# Altium PCB LimeNet-Micro_2v1.PcbDoc (part 10 of 11)
Units mm, origin at the board's own origin, x right, y up, seen from the top; angles counter-clockwise.
Board outline 75 x 143 mm, 6 copper layers (Top, L2, L3, L4, L5, Bottom), stack 1.583 mm thick; 795 components, 565 nets, 3646 pads, 1420 vias.
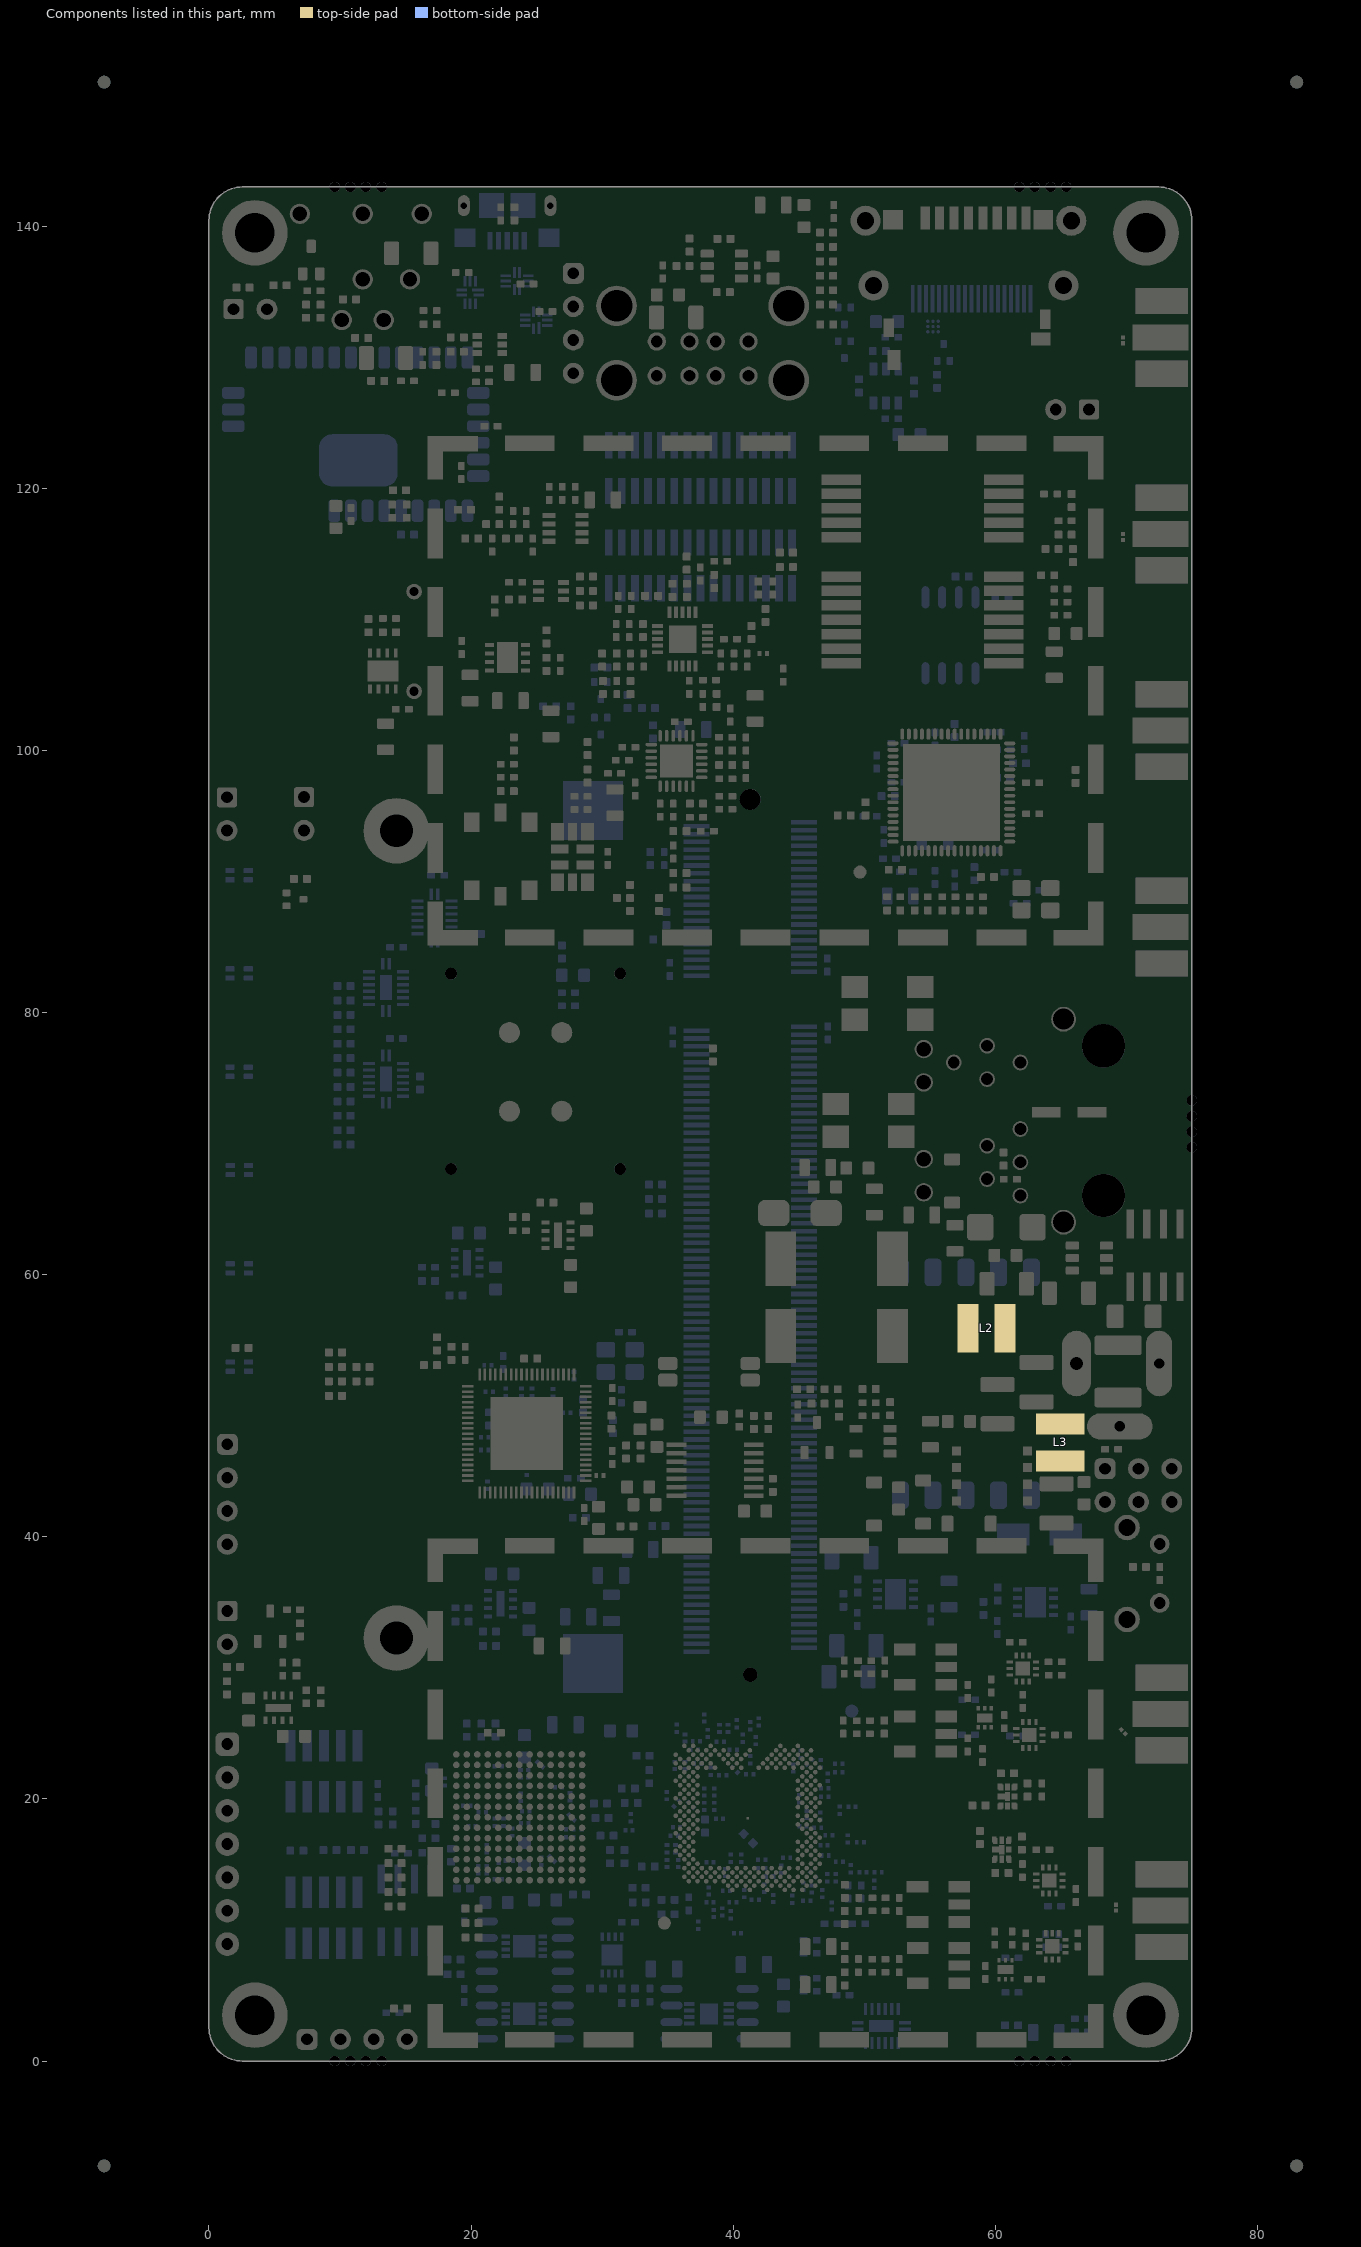
[diagram p14: the components of this part, seen from the top]

## Other copper
Top:
  pour cut-out: 75,102.875 70.385,102.875 ccw(c70.385,101.518) 69.425,102.477 cw(c68.634,103.268) 68.634,102.15 66.552,102.15 cw(c66.552,104.69) 64.756,102.894 62.519,105.131 ccw(c60.723,103.335) 60.723,105.875 45.6,105.875 cw(c45.6,107.025) 44.45,107.025 44.45,107.425 ccw(c42.75,107.425) 42.75,109.125 38.45,109.125 38.45,107.7 42.775,107.7 cw(c42.775,107.375) 43.1,107.375 43.1,96.373 cw(c41.265,96.373) 42.562,95.075 41.4,93.912 cw(c40.525,94.787) 40.525,93.55 39.477,93.55 ccw(c39.477,91.01) 37.681,92.806 36.777,91.902 cw(c36.125,92.553) 36.125,91.632 36.125,88.85 36.775,88.85 37.396,89.471 cw(c38.25,88.618) 38.25,89.825 ccw(c38.25,92.189) 39.922,90.517 40.444,91.04 cw(c41.075,90.408) 41.075,91.301 47.299,91.301 ccw(c47.299,93.841) 49.095,92.045 50.527,93.477 cw(c52.323,91.681) 52.323,94.221 52.775,94.221 52.775,94.9 50.636,94.9 ccw(c50.636,93.364) 49.55,94.45 48.519,93.419 cw(c46.723,95.215) 46.723,92.675 45.7,92.675 cw(c45.7,93.9) 44.475,93.9 44.475,101.745 cw(c46.45,101.745) 46.45,103.72 58.953,103.72 cw(c58.953,101.18) 60.749,102.976 64.842,98.883 cw(c63.433,97.475) 65.425,97.475 65.425,97.05 ccw(c67.6,97.05) 67.6,94.875 67.735,94.875 cw(c67.735,94.11) 68.5,94.11 68.5,87.5 ccw(c70.95,87.5) 70.95,85.05 75,85.05 75,87.875 71,87.875 cw(c71,89.075) 69.8,89.075 69.8,94.35 ccw(c67.95,94.35) 67.95,96.2 67.825,96.2 cw(c67.825,97.25) 66.775,97.25 66.775,100.25 cw(c67.45,100.25) 67.45,100.925 68.595,100.925 cw(c68.595,99.645) 69.5,100.55 ccw(c70.526,101.576) 70.526,100.125 75,100.125
  pour cut-out: 3.65,126.77 cw(c3.65,126.02) 4.18,126.55 60.473,126.55 ccw(c60.473,129.09) 62.269,127.294 67.156,132.181 cw(c68.952,130.385) 68.952,132.925 75,132.925 75,130.1 68.002,130.1 ccw(c68.002,127.56) 66.206,129.356 63.084,126.234 cw(c61.271,127.934) 61.35,125.45 4.126,125.44 cw(c3.682,125.929) 3.65,125.27
  pour cut-out: 3.65,125.27 ccw(c3.65,126.02) 4.4,126.02 ccw(c3.65,126.02) 3.65,126.77 ccw(c3.65,126.02) 2.9,126.02 ccw(c3.65,126.02)
  pour cut-out: 60.587,12.13 ccw(c61.117,12.661) 61.648,12.13 ccw(c61.117,12.661) 61.648,13.191 ccw(c61.117,12.661) 60.587,13.191 ccw(c61.117,12.661)
  pour cut-out: 56.55,92.2 56.55,91.88 ccw(c57.83,91.88) 56.925,90.975 58.444,89.456 cw(c58.188,89.2) 58.55,89.2 58.55,87.45 56.45,87.45 56.45,88.5 56.45,89.37 ccw(c55.17,89.37) 56.075,90.275 cw(c57.101,91.301) 55.65,91.301 55.65,92.2
  pour cut-out: 54.25,92.2 54.25,91.88 cw(c52.97,91.88) 53.875,90.975 52.356,89.456 ccw(c52.612,89.2) 52.25,89.2 52.25,87.45 54.35,87.45 54.35,88.5 54.35,89.37 cw(c55.63,89.37) 54.725,90.275 ccw(c53.699,91.301) 55.15,91.301 55.15,92.2
  pour cut-out: 25.3,90.375 23.55,90.375 23.55,88.05 31.6,88.05 31.6,86.575 32.65,86.575 32.65,88.05 34.975,88.05 ccw(c34.975,89.2) 36.125,89.2 36.125,97.275 34.675,97.275 34.675,89.975 cw(c34.2,89.975) 34.2,89.5 cw(c34.2,90.828) 33.261,89.889 32.975,90.175 ccw(c31.225,88.425) 31.225,90.9 28.1,90.9 28.1,89.225 25.3,89.225
  pour cut-out: 1.373,45.675 1.8,45.675 cw(c1.8,44.675) 2.8,44.675 ccw(c3.375,44.675) 3.375,44.1 3.65,44.1 ccw(c3.65,45.125) 4.675,45.125 4.675,55.975 cw(c7.6,55.975) 7.6,58.9 11.1,58.9 cw(c11.1,58.4) 11.6,58.4 11.6,57.75 cw(c11.15,57.75) 11.15,57.3 8.05,57.3 ccw(c8.05,55.6) 6.35,55.6 6.35,44.977 cw(c3.81,44.977) 3.81,42.437 3.262,42.437 ccw(c3.262,41.975) 2.8,41.975 cw(c1.625,41.975) 1.625,40.8 1.3,40.8 cw(c1.3,41.8) 0.3,41.8 0.3,44.602 cw(c1.373,44.602)
  pour cut-out: 59,120.1 67.75,120.1 cw(c67.75,118.3) 69.55,118.3 ccw(c69.925,118.3) 69.925,117.925 74.975,117.925 74.975,115.175 70.675,115.175 cw(c70.675,116.443) 69.779,115.546 68.893,116.432 cw(c69.661,117.2) 68.575,117.2 68.575,118.272 ccw(c67.772,118.272) 67.772,119.075 59,119.075
  pour cut-out: 63.075,10.758 ccw(c62.325,10.758) 62.325,11.508 ccw(c62.325,10.758) 61.575,10.758 ccw(c62.325,10.758) 62.325,10.008 ccw(c62.325,10.758)
  pour cut-out: 59.007,31.767 ccw(c59.537,31.237) 59.007,30.707 ccw(c59.537,31.237) 60.067,30.707 ccw(c59.537,31.237) 60.067,31.767 ccw(c59.537,31.237)
  pour cut-out: 61.583,22.634 ccw(c61.052,23.164) 61.583,23.695 ccw(c61.052,23.164) 60.522,23.695 ccw(c61.052,23.164) 60.522,22.634 ccw(c61.052,23.164)
  pour cut-out: 33.812,88.05 33.812,87.669 ccw(c34.794,87.669) 34.1,86.975 ccw(c35.186,88.061) 35.186,86.525 35.825,86.525 ccw(c35.825,87.004) 36.304,87.004 36.304,87.096 ccw(c35.825,87.096) 35.825,87.575 cw(c35.825,88.48) 35.185,87.84 34.975,88.05
  pour cut-out: 31.429,40 63.133,40 63.133,49.4 75,49.4 75,84.075 43,84.075 43,69.198 31.429,57.627
  region net GND: 59.875,7.323 61.775,7.323 61.775,6.623 59.875,6.623
  region net GND: 58.6,26.525 61.05,26.525 61.05,25.825 58.6,25.825
  region net VCC3P3_CLK: 30.225,95.425 30.225,94.513 30.788,93.95 32.006,93.95 32.1,94.044 32.1,95.05 31.725,95.425
  region net GND: 72.7,134.295 73.275,134.295 73.275,135.875 72.7,135.875
  region net GND: 72.7,134.295 72.7,133.72 70.175,133.72 70.175,134.295
  region net GND: 72.7,134.295 72.7,134.87 70.175,134.87 70.175,134.295
  region net GND: 72.7,134.295 72.125,134.295 72.125,135.875 72.7,135.875
  region net GND: 72.7,128.755 73.275,128.755 73.275,127.175 72.7,127.175
  region net GND: 72.7,128.755 72.7,129.33 70.175,129.33 70.175,128.755
  region net GND: 72.7,128.755 72.7,128.18 70.175,128.18 70.175,128.755
  region net GND: 72.7,128.755 72.125,128.755 72.125,127.175 72.7,127.175
  region net VCC5P0: 12.725,100.45 12.725,99.778 13.25,99.253 14.117,99.253 14.225,99.361 14.225,100.45
  region net VCC2P5: 19.3,118.951 18.576,119.675 17.775,119.675 17.65,119.55 17.65,118.95 18.575,118.025 19.3,118.025
  region net VCC2P5: 15.018,110.625 14.343,111.3 13.85,111.3 13.675,111.125 13.675,110.718 13.968,110.425 14.818,110.425
  region net NetC312_2: 14.475,105.1 14.75,104.825 14.75,102.075 14.25,101.575 12.725,101.575 11.95,102.35 11.95,105 12.05,105.1 12.51,105.1 12.585,105.025 12.585,104.24 12.7,104.125 13.85,104.125 13.95,104.225 13.95,104.957 14.093,105.1
  region net VCC2P5: 13.968,108.675 13.968,107.2 14.093,107.075 15.068,107.075 15.218,107.225 15.218,110.425 15.018,110.625 14.168,110.625 13.968,110.425
  region net GND: 13.275,106.075 13.275,106.62 15.111,106.62 15.111,106.075
  region net GND: 13.325,106.075 13.325,106.62 11.489,106.62 11.489,106.075
  region net GND: 13.275,106.075 13.275,105.53 15.111,105.53 15.111,106.075
  region net GND: 13.325,106.075 13.325,105.53 11.489,105.53 11.489,106.075
  region net VCC3P3_CLK: 23.775,105.25 23.6,105.075 23.6,103.05 24.025,102.625 26.836,102.625 26.836,105.25
  region net VCC3P3: 22.4,104.55 21.425,104.55 21.125,104.25 21.125,103.325 21.4,103.05 22.4,103.05
  region net VCC3P3: 25.575,32.425 24.868,32.425 24.55,32.107 24.55,30.05 24.717,29.883 25.633,29.883 25.85,30.1 25.85,32.15
  region net VCC3P3_2: 26.775,30.925 26.775,33.389 27.561,34.175 28.375,34.175 28.525,34.025 28.525,33.325 28.15,32.95 28.15,31.303 27.772,30.925
  region: 26.775,32.425
  region net GND: 22.78,107.089 22.234,107.089 22.234,105.253 22.78,105.253
  region net GND: 22.78,107.089 23.325,107.089 23.325,105.253 22.78,105.253
  region net GND: 22.78,107.089 22.234,107.089 22.234,108.925 22.78,108.925
  region net GND: 22.78,107.089 23.325,107.089 23.325,108.925 22.78,108.925
  region net VCC5P0: 19.18,104.164 19.18,103.492 19.705,102.967 20.572,102.967 20.68,103.075 20.68,104.164
  region net NetC318_2: 21.8,105.975 21.075,105.25 19.144,105.25 19.03,105.364 19.03,107.339 20.191,108.5 21.625,108.5 21.775,108.35 21.775,107.875 21.675,107.775 20.975,107.775 20.775,107.575 20.775,106.65 20.95,106.475 21.675,106.475 21.8,106.35
  region: 21.8,106.125
  region net VCC3P3_CLK: 27.25,106.375 23.9,106.375 23.775,106.25 23.775,105.25 23.975,105.05 27.3,105.05 27.45,105.2 27.45,106.175
  region net VCC3P3_2: 28.472,60.15 28.072,59.75 25.255,59.75 24.775,60.23 24.775,61.525 28.472,61.525
  region net VCC5P0: 29.225,62.575 29.975,61.825 29.975,61.075 30.475,60.575 31.05,60.575 31.425,60.95 31.425,62.7 29.925,64.2 29.225,64.2
  region net VCC3P3_2: 55.55,100.822 53.847,100.822 53.75,100.919 53.75,101.641 53.591,101.8 53.225,101.8 53.05,101.625 53.05,100.9 52.975,100.825 52.801,100.825 52.701,100.925 52.701,101.876 53.036,102.211 55.339,102.211 55.625,101.925 55.625,100.896
  region net VCC3P3_2: 20.75,51.925 20.55,51.925 20.25,52.225 20.25,52.775 20.566,53.091 20.65,53.091 20.75,52.991
  region: 21.272,13.794
  region net NetC152_2: 60.975,68 60.975,68.625 60.275,68.625 60.275,68.425 59.85,68 59.196,68 58.75,67.554 58.75,67.025 59.1,66.675 60.975,66.675
  pour cut-out: 8.3,124.14 8.3,99 0,99 0,124.14
  region net VCC3P3_2: 27.272,62.2 27.147,62.075 27.147,60.15 28.472,60.15 28.847,60.525 28.847,61.5 28.147,62.2
  region net VCC5P0: 27.272,63.65 28.022,63.65 28.572,64.2 29.747,64.2 29.747,62.475 28.547,62.475 28.022,63 27.272,63
  region net GND: 61.89,19.736 60.74,19.736 60.74,18.65 61.89,18.65 61.89,19.48
  region net VCC3P3A_ETH: 54.75,87.8 54.75,86.45 56.05,86.45 56.05,87.8
  pour cut-out: 45.27,23.71 47.44,23.71 49.775,21.375 56.165,21.375 58.84,18.7 65.75,18.7 69.4,22.35 70.7,23.65 70.7,24.7 74.975,24.7 74.975,28.225 70.075,28.225 68.3,26.45 68.3,24.525 67.05,24.525 67.05,28.7 62.425,33.325 46.85,33.325 40.608,27.083 40.608,22.378 43.938,22.378
  pour cut-out: 41.94,5.81 44.175,3.575 63.65,3.575 67.05,6.975 67.05,10.35 69.25,10.35 69.9,9.7 75,9.7 75,13.25 69.85,13.25 69.125,12.525 67.05,12.525 67.05,15.25 64.798,17.502 55.223,17.502 52.646,14.925 41.94,14.925
  region net TXB_DUP: 60.178,20.63 60.603,20.63 60.603,21.18 60.178,21.18
  region net GND: 26.586,89.45 25.625,89.45 25.625,90.45 26.586,90.45
  region net NetC138_1: 43.365,112.2 43.365,111.05 42.815,110.5 42.115,110.5 41.565,111.05 41.565,112.2
  region net NetC276_1: 24.7,115.875 25.3,115.875 25.4,115.775 26.475,115.775 26.475,116.825 25.4,116.825 25.3,116.725 24.55,116.725 24.45,116.625 24.45,116.125
  region net VCC1P8_LMS: 48.168,13.149 48.054,13.263 48.054,14.001 48.172,14.119 48.518,14.119 48.518,13.149
  region net VCC1P8_LMS: 48.868,13.149 48.982,13.263 48.982,14.008 48.872,14.119 48.518,14.119 48.518,13.149
  region net VCC1P8_LMS: 48.161,10.749 48.047,10.635 48.047,9.89 48.157,9.779 48.511,9.779 48.511,10.749
  region net VCC1P8_LMS: 48.861,10.749 48.975,10.635 48.975,9.897 48.857,9.779 48.511,9.779 48.511,10.749
  region net VCC1P8_LMS: 45.688,5.476 45.574,5.361 44.836,5.361 44.718,5.479 44.719,5.826 45.688,5.826
  region net VCC1P8_LMS: 45.688,6.176 45.574,6.29 44.829,6.29 44.719,6.179 44.719,5.826 45.688,5.826
  region net VCC1P8_LMS: 45.688,9.075 45.574,9.19 44.829,9.19 44.719,9.079 44.719,8.725 45.688,8.725
  region net VCC1P8_LMS: 45.688,8.375 45.574,8.261 44.836,8.261 44.718,8.379 44.719,8.725 45.688,8.725
  region net RXA_DUP: 60.175,15.125 59.75,15.125 59.75,15.675 60.175,15.675
  region net TXA_DUP: 60.175,17.125 59.75,17.125 59.75,16.575 60.175,16.575
  region net TXB_DUP: 60.603,21.18 60.178,21.18 60.178,20.63 60.603,20.63
  region net NetC261_2: 37.6,107.35 38.4,107.35 38.65,107.1 42.2,107.1 42.2,107.7 39,107.7 38.55,108.15 37.6,108.15
  region net VCC3P3_LMK2: 31.725,96.625 31.725,96.813 32.162,97.25 32.512,97.25 32.512,99.062 32.325,99.25 31.738,99.25 31.15,98.662 31.15,97.9 30.95,97.7 30.575,97.7 30.225,97.35 30.225,96.625
  region net VCC3P3_CLK: 34.675,108.85 33.888,108.85 33.437,109.3 32.888,109.3 32.813,109.375 32.813,109.75 31.988,110.575 31.988,111.1 33.038,111.1 33.663,110.475 33.988,110.475 34.675,109.788
  region net GND: 56.025,13.925 56.025,12.825 58.1,12.825 58.1,13.875 57.85,14.125 56.225,14.125
  region net GND: 56.035,5.298 56.035,6.398 58.11,6.398 58.11,5.348 57.86,5.098 56.235,5.098
  region net GND: 55.055,26.928 55.055,25.828 57.13,25.828 57.13,26.878 56.88,27.128 55.255,27.128
  region net GND: 55.055,32.028 55.055,30.928 57.13,30.928 57.13,31.978 56.88,32.228 55.255,32.228
  region net GND: 61.89,20.625 60.74,20.625 60.74,21.325 61.1,21.325 61.1,22.3 61.915,22.3 62.803,21.412 62.803,20.88 61.89,20.88
  region net GND: 61.262,16.595 60.312,16.595 60.312,18.105 61.012,18.105 61.262,17.855
  region net GND: 61.3,15.675 60.325,15.675 60.325,15.125 60.55,14.9 61.65,14.9 61.65,15.325
  region net GND: 72.7,89.295 72.125,89.295 72.125,90.875 72.7,90.875
  region net GND: 72.7,89.295 72.7,89.87 70.175,89.87 70.175,89.295
  region net GND: 72.7,89.295 72.7,88.72 70.175,88.72 70.175,89.295
  region net GND: 72.7,83.755 72.7,84.33 70.175,84.33 70.175,83.755
  region net GND: 72.7,84.225 72.7,83.025 69.9,83.025 69.9,84.225
  region net GND: 72.7,104.295 72.125,104.295 72.125,105.875 72.7,105.875
  region net GND: 72.7,104.295 72.7,104.87 70.175,104.87 70.175,104.295
  region net GND: 72.7,104.295 72.7,103.72 70.175,103.72 70.175,104.295
  region net GND: 72.7,98.755 72.7,99.33 70.175,99.33 70.175,98.755
  region net GND: 72.7,98.755 72.7,98.18 70.175,98.18 70.175,98.755
  region net GND: 72.7,98.755 73.275,98.755 73.275,97.175 72.7,97.175
  region net GND: 72.7,98.755 72.125,98.755 72.125,97.175 72.7,97.175
  region net GND: 72.7,119.295 72.125,119.295 72.125,120.875 72.7,120.875
  region net GND: 72.7,119.295 72.7,119.87 70.175,119.87 70.175,119.295
  region net GND: 72.7,119.295 72.7,118.72 70.175,118.72 70.175,119.295
  region net GND: 72.7,113.755 72.7,114.33 70.175,114.33 70.175,113.755
  region net GND: 72.7,113.755 72.7,113.18 70.175,113.18 70.175,113.755
  region net GND: 72.7,113.755 73.275,113.755 73.275,112.175 72.7,112.175
  region net GND: 72.7,113.755 72.125,113.755 72.125,112.175 72.7,112.175
  region net GND: 72.7,29.245 72.125,29.245 72.125,30.825 72.7,30.825
  region net GND: 72.7,29.245 72.7,29.82 70.175,29.82 70.175,29.245
  region net GND: 72.7,29.245 72.7,28.67 70.175,28.67 70.175,29.245
  region net GND: 72.178,23.653 72.7,23.13 70.175,23.13 70.697,23.653
  region net GND: 72.7,23.705 73.275,23.705 73.275,22.125 72.7,22.125
  region net GND: 72.7,23.705 72.125,23.705 72.125,22.125 72.7,22.125
  region net GND: 72.7,14.245 72.125,14.245 72.125,15.825 72.7,15.825
  region net GND: 72.7,14.245 72.7,14.82 70.175,14.82 70.175,14.245
  region net GND: 72.7,14.245 72.7,13.67 70.175,13.67 70.175,14.245
  region net GND: 72.7,8.705 72.7,9.28 70.175,9.28 70.175,8.705
  region net GND: 72.7,8.705 72.7,8.13 70.175,8.13 70.175,8.705
  region net GND: 72.7,8.705 73.275,8.705 73.275,7.125 72.7,7.125
  region net GND: 72.7,8.705 72.125,8.705 72.125,7.125 72.7,7.125
  region net GND: 72.7,14.245 73.275,14.245 73.275,15.825 72.7,15.825
  region net GND: 72.7,29.245 73.275,29.245 73.275,30.825 72.7,30.825
  region net GND: 72.7,119.295 73.275,119.295 73.275,120.875 72.7,120.875
  region net GND: 72.7,89.295 73.275,89.295 73.275,90.875 72.7,90.875
  region net GND: 72.7,104.295 73.275,104.295 73.275,105.875 72.7,105.875
  region net NetD4_A: 61.85,62.725 63.675,60.9 66.375,60.9 69.25,60.9 70.5,62.15 74.425,62.15 74.675,62.4 74.675,64.9 74.25,65.325 70.225,65.325 67.675,62.775 64.612,62.775 64.112,63.275 64.112,64.363 63.85,64.625 61.975,64.625 61.85,64.5
  region net NetR217_2: 67.95,60.037 70.6,57.387 70.6,56.65 71.325,55.925 72.95,55.925 73.2,56.175 73.2,60.24 72.79,60.65 68.038,60.65 67.95,60.563
  region net POE_GND: 67.85,59.6 70.275,57.175 70.275,56.475 71.2,55.55 71.2,53.95 71.05,53.8 67.75,53.8 67.55,54 67.55,55.575 66.25,56.875 66.25,59.325 66.525,59.6
  region net NetD3_C: 55.1,44.6 56.175,43.525 57.3,43.525 57.425,43.65 57.425,47.075 57.275,47.225 55.1,47.225
  region net NetC285_2: 59.925,54.3 59.925,57.4 60.875,58.35 60.875,59.85 61.3,60.275 64.225,60.275 64.975,59.525 64.975,56.35 62.925,54.3
  region net POE_VSS: 34.925,43.325 34.925,42.415 35.54,41.8 37.545,41.8 38.495,42.75 37.92,43.325
  region net NetC294_2: 58.005,46.92 58.005,47.82 57.625,48.2 57.625,49.4 58.475,50.25 61.125,50.25 61.85,50.975 64.596,50.975 66.171,49.4 66.875,49.4 66.875,47.7 66.7,47.525 63.435,47.525 62.83,46.92 62.83,46.195 58.73,46.195
  region net VCC5P0_POE: 63.1,46.525 63.1,43.826 63.451,43.475 67.125,43.475 67.6,43.95 68.95,43.95 69.172,44.172 69.172,46.028 68.875,46.325 68.875,47.025 63.6,47.025
  region net POE_GND: 56.763,61 56.763,58.98 57.367,58.375 59.875,58.375 60.025,58.525 60.025,60.075 59.05,61.05 56.813,61.05
  region net POE_VIN: 53.75,63.3 42.425,63.3 42.425,59.14 42.54,59.025 52.3,59.025 53.625,57.7 53.625,55.75 55.5,53.875 58.625,53.875 58.805,54.055 58.805,57.745 58.7,57.85 57.3,57.85 56.325,58.825 56.325,60.725
  region net POE_GND: 42.438,52.925 53.275,52.925 54.275,53.925 54.275,54.5 53.35,55.425 53.35,57.4 53.3,57.45 42.488,57.45 42.438,57.4
  region net POE_VIN: 42.211,43.975 42.425,43.975 42.675,43.725 43.025,43.725 43.325,43.425 43.325,43.062 43.212,42.95 42.211,42.95
  region net POE_VIN: 41.6,43.063 41.6,41.57 41.72,41.45 42.9,41.45 43.325,41.875 43.325,43.062
  region net POE_VIN: 50.023,64.95 48.85,66.123 48.85,66.789 48.35,67.289 47.414,67.289 47.275,67.15 47.275,66.25 46.725,65.7 46.15,65.7 45.65,65.2 45.65,63.05 53.423,63.05 51.523,64.95
  region net NetBR1_3: 47.299,67.525 48.9,67.525 49.075,67.7 49.075,68.565 48.825,68.815 48.825,70.05 46.575,70.05 46.575,69.1 47.095,68.58 47.095,67.525
  region net NetD5_A: 54.981,65.313 55.643,65.975 57.266,65.975 57.391,65.85 57.391,64.966 57.15,64.725 56.325,64.725 55.775,64.175 55.775,63.875 55.712,63.812 54.981,63.812
  region net GND: 58.805,51.05 58.805,52.205 59.575,52.975 60.975,52.975 61.875,53.875 64.35,53.875 64.525,53.7 64.525,52.05 64.1,51.625 62.038,51.625 61.463,51.05
  region net NetD1_C: 50.1,42.605 50.595,43.1 52,43.1 52.575,42.525 53,42.525 53.15,42.375 53.15,41.5 52.05,40.4 50.175,40.4 50.1,40.475
  region net NetD3_C: 56.425,43.85 56.425,47.225 54.5,47.225 54.15,46.875 54.15,45 53.875,44.725 53.875,43.925 53.95,43.85
  region net GND: 67.575,49.45 67,48.875 67,48.05 67.65,47.4 72.65,47.4 74.2,48.95 74.2,54.798 73.273,55.725 72.075,55.725 71.525,55.175 71.525,53 70.75,52.225 68.325,52.225 67.575,51.475
  region net NetR216_1: 65.375,60.625 67.125,60.625 67.275,60.475 67.275,60.15 67.15,60.025 65.425,60.025 65.375,60.075
  region net NetR205_2: 53.781,63.812 53.138,63.812 52.125,64.825 52.125,65.925 52.235,66.035 53.14,66.035 53.781,65.394
  region net POE_GND: 66.275,72.825 68.7,72.825 68.7,70.15 66.275,70.15
  region net POE_GND: 42.438,57.4 42.438,57.577 42.606,57.745 53.005,57.745 53.35,57.4
  region net VCC5P0: 5.95,26.3 5.95,25.55 6.5,25 6.5,23.825 4.775,23.825 4.775,25.025 5.3,25.55 5.3,26.3
  region net VCC1P8_2: 4.475,26.3 4.35,26.425 2.425,26.425 2.425,25.1 2.8,24.725 3.775,24.725 4.475,25.425
  region net VCC5P0: 6.5,23.825
  region net VCC5P0: 6.5,24.225 6.5,23.475 5.35,22.325 4.4,22.325 4.225,22.5 4.225,23.65 4.8,24.225
  region net GND: 4.65,26.95 4.65,28.267 2.693,28.267 2.526,28.1 2.526,26.95
  region net GND: 5.225,27.5 5.225,26.95 5.375,26.95 5.375,27.627
  region net GND: 63.1,8.375 62.65,7.925 62.65,7.375 62.825,7.2 63.675,7.2 63.975,7.5 63.975,8.379
  region net GND: 65.6,8.375 66.05,7.925 66.05,7.375 65.875,7.2 65.025,7.2 64.725,7.5 64.725,8.379
  region: 63.35,9.25
  region net GND: 65.375,13.4 65.375,12.55 65.267,12.442 64.583,12.442 64.5,12.525 64.5,13.404
  region net GND: 65.375,14.15 65.375,15 65.267,15.108 64.583,15.108 64.5,15.025 64.5,14.146
  region net GND: 63.85,24.5 63.85,23.65 63.742,23.542 63.058,23.542 62.975,23.625 62.975,24.504
  region net GND: 63.85,25.25 63.85,26.1 63.742,26.208 63.058,26.208 62.975,26.125 62.975,25.246
  region net GND: 60.85,29.575 60.85,28.725 60.958,28.617 61.642,28.617 61.725,28.7 61.725,29.579
  region net GND: 60.85,30.325 60.85,31.175 60.958,31.283 61.642,31.283 61.725,31.2 61.725,30.321
  region net GND: 61.05,26.525 61.05,27.13 60.83,27.35 60.492,27.35 60.25,27.108 60.25,26.525
  region net VCC3P3_CLK: 23.613,103.663 22.825,102.875 22.475,102.875 22.272,102.672 22.272,102.421 22.375,102.318 24.343,102.318 24.65,102.625
  region net GND: 60.492,41.575 60.492,39.825 63.133,39.825 63.133,41.675 60.492,41.675
L2:
  pour cut-out: 3.65,125.27 cw(c3.65,126.02) 2.9,126.02 cw(c3.65,126.02) 3.65,126.77
  pour cut-out: 61.648,13.191 cw(c61.117,12.661) 61.648,12.13 cw(c61.117,12.661) 60.587,12.13
  pour cut-out: 26.925,72.475 26.925,73.275 ccw(c26.925,72.475) 26.125,72.475 ccw(c26.925,72.475) 26.925,71.675 ccw(c26.925,72.475) 27.725,72.475 ccw(c26.925,72.475) 26.925,73.275
  pour cut-out: 60.067,30.707 cw(c59.537,31.237) 59.007,30.707 cw(c59.537,31.237) 59.007,31.767
  pour cut-out: 60.522,23.695 cw(c61.052,23.164) 61.583,23.695 cw(c61.052,23.164) 61.583,22.634
  pour cut-out: 61.575,10.758 cw(c62.325,10.758) 62.325,11.508 cw(c62.325,10.758) 63.075,10.758
  pour cut-out: 8.3,124.14 8.3,99 0,99 0,124.14
  pour cut-out: 52.256,31.853 53.931,31.853 53.931,30.953 52.256,30.953